# Altium PCB BalanceCar.PcbDoc (part 1 of 3)
Units mil, origin at the board's own origin, x right, y up, seen from the top; angles counter-clockwise.
Board outline 3810.03 x 2355.03 mil, 2 copper layers (Top Layer, Bottom Layer); 118 components, 87 nets, 429 pads, 218 vias.
Unrouted connection lines stored in the file: 3.
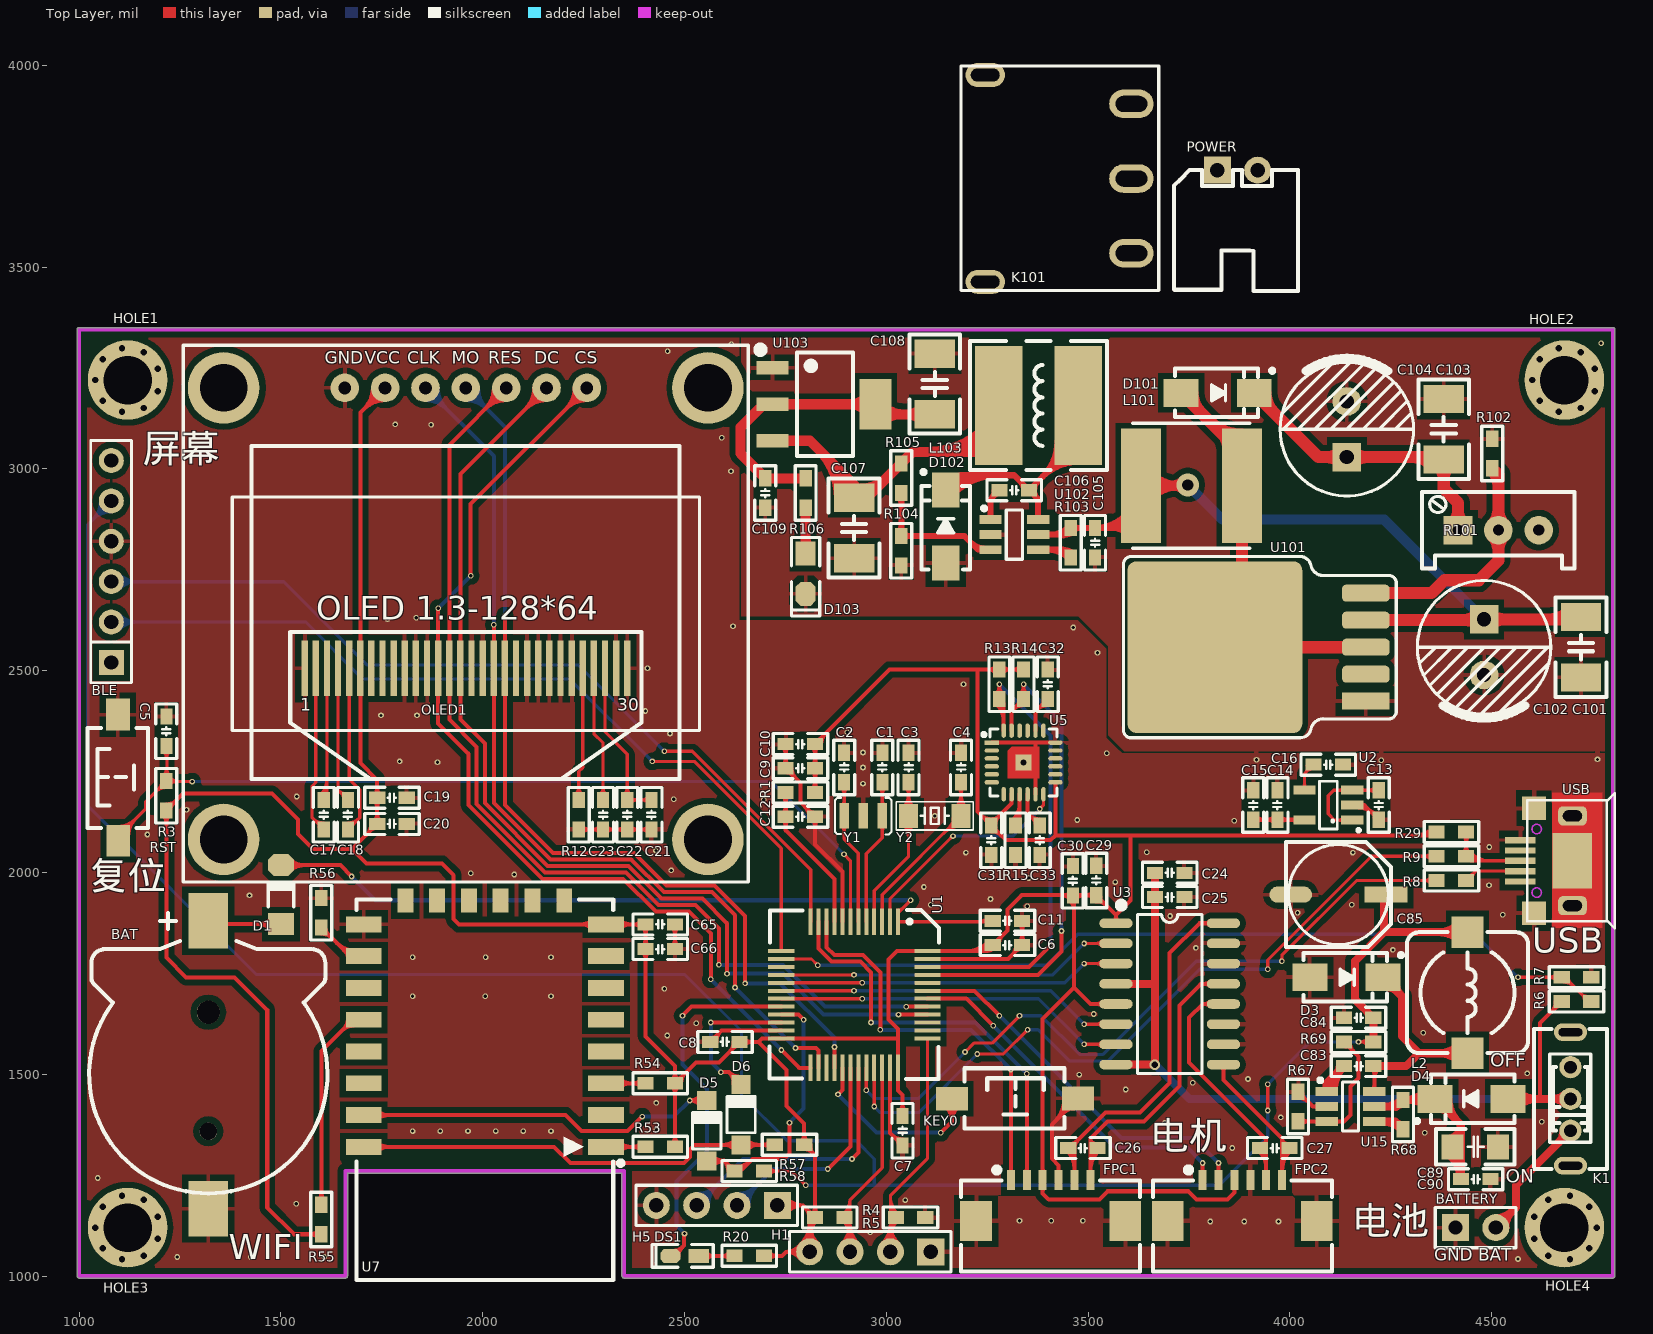
[diagram p0: Top Layer view]
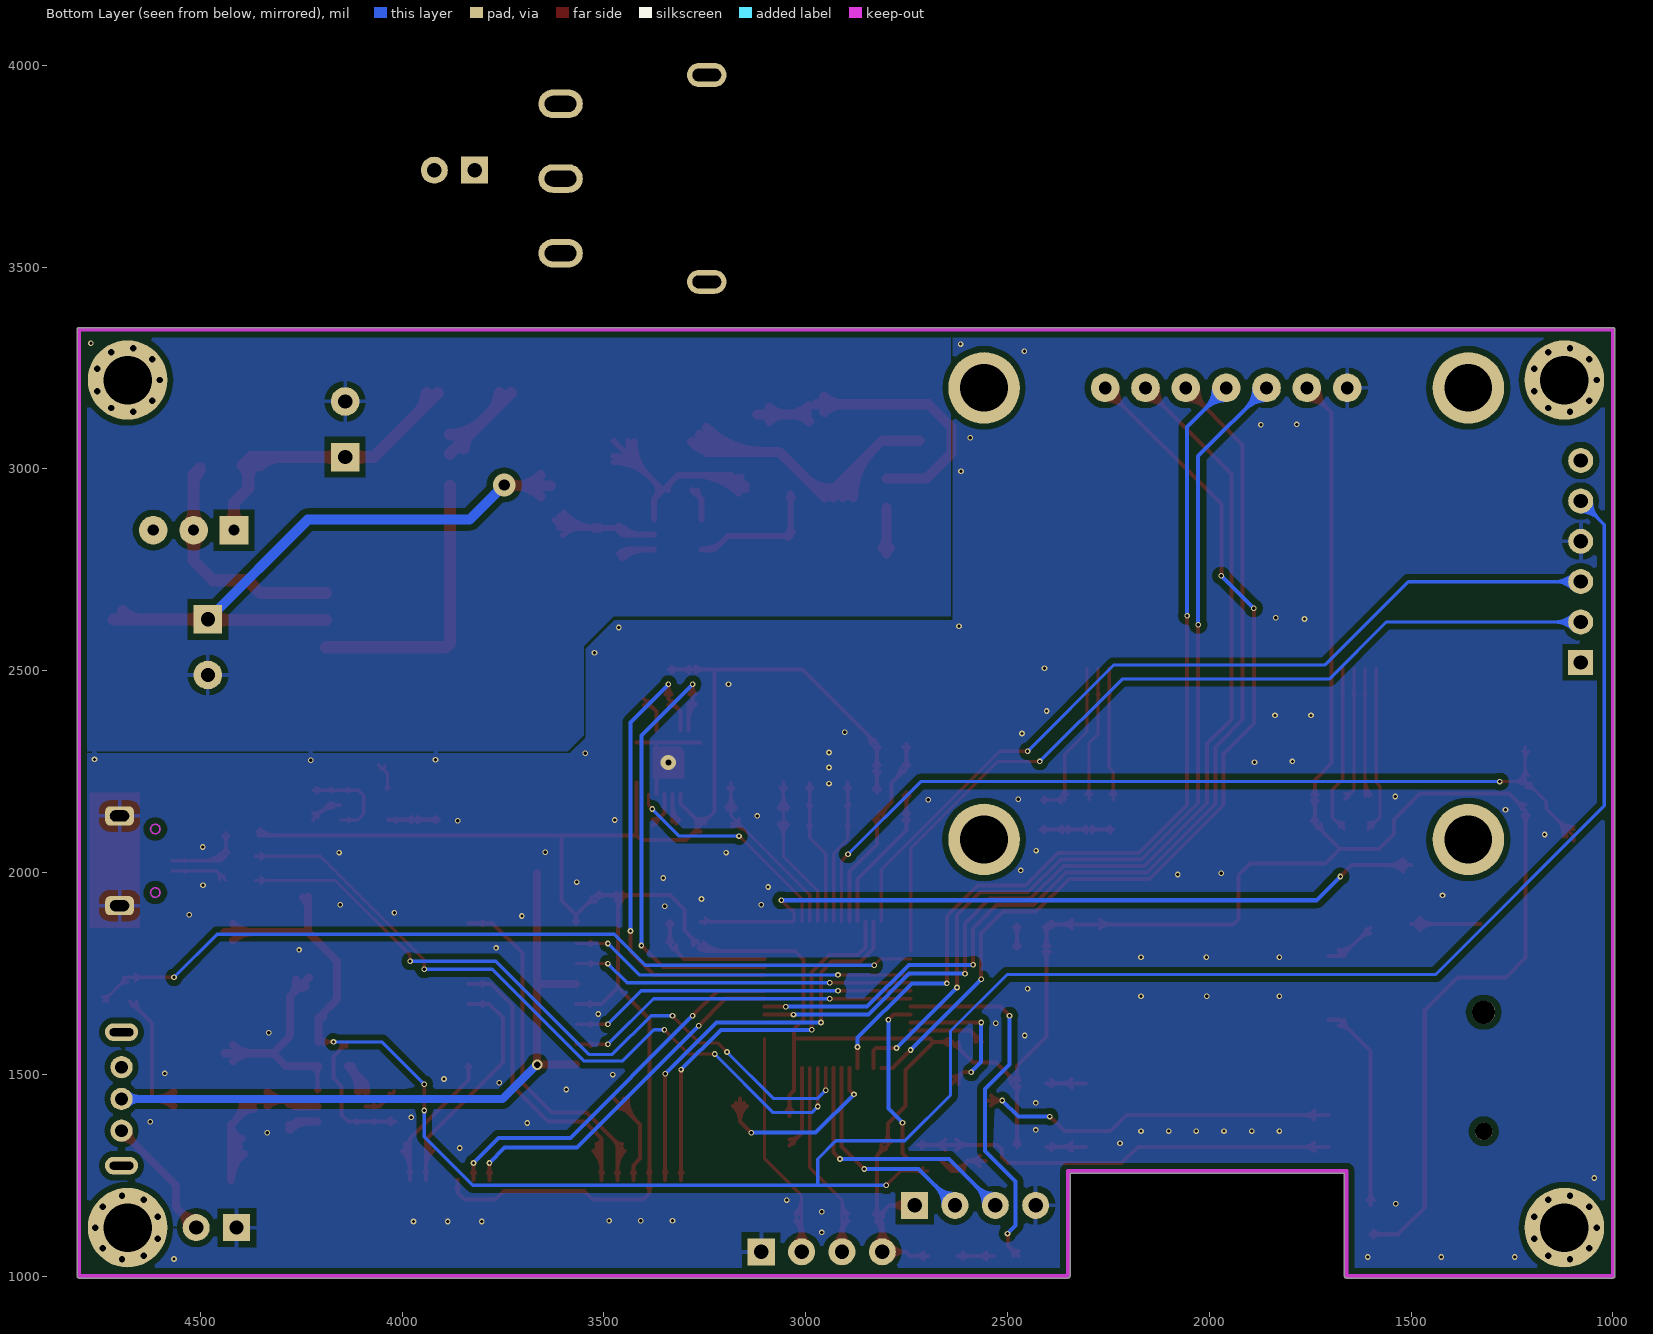
[diagram p1: Bottom Layer view, seen from below]

## Layer stack, top to bottom
Top Layer: signal copper 1.4
Dielectric: dielectric 12.6, FR-4, Dk 4.8
Bottom Layer: signal copper 1.4

## Board outline
1000,994.99 cw(c1000,1000) 994.99,1000 994.99,3345 cw(c1000,3345) 1000,3350.01 4800,3350.01 cw(c4800,3345) 4805.02,3345 4805.02,1000 cw(c4800,1000) 4800,994.99 2350,994.99 cw(c2350,1000) 2344.99,1000 2344.99,1254.98 1665.02,1254.98 1665.02,1000 cw(c1660,1000) 1660,994.99

## Design rules (kind name [scope] priority, off if disabled: settings)
Clearance [All] p1: gap=15
ComponentClearance [All] p1: gap=0 collisioncheckmode=3 verticalgap=0 showdistances=FALSE
HoleSize [All] p1: absolutevalues=TRUE maxlimit=500 minlimit=1 maxpercent=80.000 minpercent=20.000
MinimumSolderMaskSliver [All] p1: minsoldermaskwidth=0
PolygonConnect [All] p1: connectstyle=Relief reliefconductorwidth=10 reliefentries=4 polygonreliefangle="90 Angle"
RoutingVias [All] p1: holewidth=8 width=14 viastyle="Through Hole" minholewidth=8 minwidth=14 maxholewidth=508 maxwidth=514
SilkToSilkClearance [All] p1: silktosilkclearance=0
SilkscreenOverComponentPads [All] p1: minsilkscreentomaskgap=0
SolderMaskExpansion [All] p1: expansion=4
TestPointUsage [All] p1: valid=0 allowmultiple=FALSE
Testpoint [All] p1: side=15 testpointundercomponent=TRUE minsize=40 maxsize=100 preferedsize=60 minholesize=0 maxholesize=40 preferedholesize=32 testpointgrid=1 style=1023 order=0-112345678
Width [All] p1: maxlimit=200 minlimit=8 preferedwidth=10 toplayer_prefwidth=8 bottomlayer_prefwidth=8 minimp=50.000000 maximp=50.000000 favimp=50.000000
19 further rules are at their usual default settings.

## Components (designator, comment, footprint, x,y, rotation, side; value= is the part's Value field where it differs from the comment)
BAT "1220" CR1220_B 1320,1500 r90 top
BATTERY "Battery" HDR2.54-LI-2P 4460,1120 r0 top
BLE "BLE_USART" HEAD6 1080,2520 r90 top
C1 "22pF" "C 0603_M" 2990,2260 r270 top
C2 "22pF" "C 0603_M" 2895.51,2260 r270 top
C3 "6pF" "C 0603_M" 3055.04,2260 r270 top
C4 "6pF" "C 0603_M" 3184.96,2260 r270 top
C5 "104" "C 0603_M" 1216,2350 r270 top
C6 "104" "C 0603_M" 3300,1820 r180 top
C7 "104" "C 0603_M" 3040,1360 r90 top
C8 "104" "C 0603_M" 2600,1580 r0 top
C9 "104" "C 0603_M" 2787,2258 r0 top
C10 "104" "C 0603_M" 2787,2318 r0 top
C11 "104" "C 0603_M" 3300,1880 r0 top
C12 "104" "C 0603_M" 2787,2138 r180 top
C13 "10uF" "C 0603_M" 4220,2167 r270 top
C14 "104" "C 0603_M" 3969,2167 r270 top
C15 "10uF" "C 0603_M" 3909,2167 r270 top
C16 "103" "C 0603_M" 4095,2267 r180 top
C17 "1uF" "C 0603_M" 1606,2143 r270 top
C18 "1uF" "C 0603_M" 1666,2143 r90 top
C19 "10uF" "C 0603_M" 1775,2185 r180 top
C20 "104" "C 0603_M" 1775,2120 r180 top
C21 "10uF" "C 0603_M" 2418,2143 r90 top
C22 "104" "C 0603_M" 2358,2143 r90 top
C23 "10uF" "C 0603_M" 2298,2143 r90 top
C24 "104" "C 0603_M" 3702,1999 r180 top
C25 "10uf" "C 0603_M" 3702,1939 r180 top
C26 "104" "C 0603_M" 3487,1317 r180 top
C27 "104" "C 0603_M" 3962,1317 r180 top
C29 "104" "C 0603_M" 3520,1980 r270 top
C30 "10uf" "C 0603_M" 3462,1979 r270 top
C31 "104" "C 0603_M" 3260,2080 r90 top
C32 "10uF" "C 0603_M" 3400,2466 r270 top
C33 "104" "C 0603_M" 3380,2080 r90 top
C65 "10uF" "C 0603_M" 2440,1871.18 r180 top
C66 "104" "C 0603_M" 2440,1810 r180 top
C83 "103" "C 0603_M" 4170,1520 r0 top
C84 "104" "C 0603_M" 4170,1640 r0 top
C85 "220uF" "CM D(6.3*5.4)" 4120,1945 r0 top
C89 "10uF" "C 1206_L" 4460,1320 r180 top
C90 "104" "C 0603_M" 4460,1240 r180 top
C101 "Cap" "C 1210_M" 4721,2558 r270 top
C102 "Cap Pol" "CAP 3.5*8*11.5 - BK" 4481,2558 r270 top
C103 "Cap" "C 1210_M" 4381,3098 r90 top
C104 "Cap Pol" "CAP 3.5*8*11.5 - BK" 4141,3098 r90 top
C105 "Cap" "C 0603_M" 3517,2817 r270 top
C106 "Cap" "C 0603_M" 3317,2947 r0 top
C107 "Cap" "C 1210_M" 2920,2853.5 r90 top
C108 "Cap" "C 1210_M" 3120,3210 r270 top
C109 "Cap" "C 0603_M" 2700,2940 r270 top
D1 "1N4148" "MINI_MELF (LL34)" 1500,1945 r90 top
D3 "SS14" SMA 4140,1740 r0 top
D4 "SS14" SMA 4450,1438.74 r180 top
D5 "MBR0520" SOD-123 2555,1360 r270 top
D6 "MBR0520" SOD-123 2640,1400 r270 top
D101 "SS34" SMA 3821,3188 r0 top
D102 "SS34" SMA 3147,2857 r90 top
D103 "RED" "LED 0805R" 2800,2740 r270 top
DS1 "LED1" "LED 0603R" 2500,1050 r180 top
FPC1 "FPC1.0_6P" FPC_1.0_6P 3407,1137 r0 top
FPC2 "FPC1.0_6P" FPC_1.0_6P 3882,1137 r0 top
H1 "Header 4" HDR2.54-LI-4P 2960,1060 r180 top
H5 "Header 4" HDR2.54-LI-4P 2580,1175 r180 top
HOLE1 "HOLE" HOLE-M3 1120,3220 r0 top
HOLE2 "HOLE" HOLE-M3 4680,3220 r0 top
HOLE3 "HOLE" HOLE-M3 1120,1120 r0 top
HOLE4 "HOLE" HOLE-M3 4680,1120 r180 top
K1 "BUTTON_DIP3" BTN8.8*4.6 4695,1360 r90 top
K101 "KEY1X3" PKEY 3600,3540 r180 top
KEY0 "KEY" "TSW SMD-3*6*2.5" 3320,1440 r0 top
L2 "4.7uH" CDRH73 4440,1702 r270 top
L101 "33uH" L_SOP74 3881,2958 r180 top
L103 "Inductance" CD73 3377,3157 r180 top
OLED1 "OLED12864" OLED12864 1958,2641 r0 top locked
POWER "SPKL" XH2.54-2P_H 3820,3740 r0 top
R1 "0R" "R 0603_M" 2787,2198 r180 top
R3 "10K" "R 0603_M" 1216,2190 r90 top
R4 "10K" "R 0603_M" 2860,1145 r180 top
R5 "10K" "R 0603_M" 3060,1145 r0 top
R6 "100K" "R 0603_M" 4710,1680 r0 top
R7 "33K" "R 0603_M" 4710,1740 r0 top
R8 "10R" "R 0603_M" 4400,1980 r180 top
R9 "10R" "R 0603_M" 4400,2040 r180 top
R12 "760K" "R 0603_M" 2238,2143 r90 top
R13 "4.7K" "R 0603_M" 3280,2466 r90 top
R14 "4.7K" "R 0603_M" 3340,2466 r90 top
R15 "10K" "R 0603_M" 3320,2080 r270 top
R20 "510" "R 0603_M" 2660,1050 r180 top
R29 "1.5K" "R 0603_M" 4400,2100 r0 top
R53 "4.7K" "R 0603_M" 2440,1320 r0 top
R54 "1.5K" "R 0603_M" 2440,1477.48 r0 top
R55 "1K" "R 0603_M" 1600,1140 r90 top
R56 "1K" "R 0603_M" 1600,1900 r270 top
R57 "5.6K" "R 0603_M" 2760,1325 r0 top
R58 "5.6K" "R 0603_M" 2660,1260 r180 top
R67 "9.53K" "R 0603_M" 4020,1420 r90 top
R68 "100K" "R 0603_M" 4280,1400 r90 top
R69 "49.9K" "R 0603_M" 4170,1580 r180 top
R101 "10K" 3296W 4516.35,2848 r0 top
R102 "331" "R 0603_M" 4501,3038 r90 top
R103 "Res1" "R 0603_M" 3457,2817 r90 top
R104 "Res1" "R 0603_M" 3037,2797 r270 top
R105 "Res1" "R 0603_M" 3037,2977 r270 top
R106 "Res1" "R 0603_M" 2800,2940 r270 top
RST "KEY" "TSW SMD-3*6*2.5" 1096,2236 r90 top
U1 "STM32F103C8T6" LQFP-48PIN 3029,1878 r270 top
U2 "CAT6219-330TD" SOT23-5M 4095,2167 r90 top
U3 "MX1508" SOP16N_M 3702,1699 r0 top
U5 "MPU6050" "QFN24 4x4_N" 3340,2272.5 r270 top
U7 "ESP8266" ESP_12E 2320,1320 r180 top
U15 "MP2359" SOT23-6M 4150,1420 r270 top
U101 "XL6009" TO-263-5 4001,2558 r90 top
U102 "MP2359" SOT23-6M 3317,2837 r270 top
U103 "AMS1117-3.3" SOT223_N 2848,3160 r270 top
USB "J-MICRO-USB-5S" USB-AB-5S 4700,2140 r270 top
Y1 "8MHz" Y-XTAL-3215-3P 2990,2140 r180 top
Y2 "32.768K" "OSC 3215-2P" 3120,2140 r180 top

## Footprints (in the part's own frame and the unit in brackets; to place one, negate y for a bottom-side part, rotate by r counter-clockwise, add the part's x,y. Pads: shape width x height; smd on the part's side, far side on the other; paste and mask are expansions set on the pad)
3296W [mm] "Precise Multi-Winding Adjustable Resistor"
  rect 1.8x1.8 hole 0.7: 1(-2.54,0)
  round 1.8 hole 0.7: 2(0,0) 3(2.54,0)
  silkscreen extent -4.8,-2.4 4.8,2.4, body extent -4.75,-2.4 4.75,2.4, height 11.52
BTN8.8*4.6 [mm]
  round 1.4 hole 0.8: 1(0,0) 2(2,0) 3(4,0)
  oval 1.1x2.1 hole 0.5 slot 1.5 at 90 deg: 4(-2.2,0) 5(6.2,0)
  silkscreen extent -2.4,-2.3 6.4,2.3, body extent -2.4,-2.3 6.4,2.27, height 6.5
"C 0603_M" [mil] "无极性贴片电容"
  rect 40x30 smd: 1(-36.5,0) 2(36.5,0)
  silkscreen extent -68,-26 68,26, body extent -31,-16 31,16, height 32
"C 1206_L" [mil] "无极性贴片电容"
  rect 55x62 smd: 1(-55.12,0) 2(57.09,0)
  silkscreen extent -96,-44 98,44, body extent -63,-32 63,32, height 48
"C 1210_M" [mil] "无极性贴片电容"
  rect 70x100 smd: 1(-75,0) 2(75,0)
  silkscreen extent -123,-63 123,63, body extent -63,-51 63,51, height 60
"CAP 3.5*8*11.5 - BK" [mm] "脚距3.5mm直径8mm高度11.5mm"
  rect 1.8x1.8 hole 0.9: 1(-1.75,0)
  round 1.8 hole 0.9: 2(1.75,0)
  silkscreen extent -4.2,-4.2 4.5,4.2, body extent -4,-4 4.01,4, height 11.54
CD73 [mm] "7.8*7*3.5mm（长宽高）"
  rect 3x7.5 smd: 1(-2.5,0) 2(2.5,0)
  silkscreen extent -4.32,-4.06 4.32,4.06, body extent -3.85,-3.5 3.85,3.5, height 3.75
CDRH73 [mm] "7.3*7.3*3.4mm（长宽高）"
  rect 2x2 smd: 1(-3.81,0) 2(3.81,0)
  silkscreen extent -3.81,-3.81 3.81,3.81, body extent -3.65,-3.65 3.65,3.65, height 3.65
"CM D(6.3*5.4)" [mm] "贴片电解电容，直径6.3mm，高5.4mm"
  rect 2.7x1 smd: 1(3,0)
  oval 2.7x1 smd: 2(-3,0)
  silkscreen extent -3.3,-3.3 3.3,3.3, body extent -3.5,-3.3 3.5,3.3, height 5.4
CR1220_B [mm]
  round 1.1 hole 1.1: 0(-3.6,0)
  round 1.45 hole 1.45: 0(3.9,0)
  rect 3.5x2.5 smd: 1(9.652,0) 2(-8.458,0)
  silkscreen extent -7.5,-7.5 10.16,7.5, body extent -9.42,-7.45 10.34,7.45, height 4.05
ESP_12E [mm] "ESP-12 Wi-Fi Module by AI-Thinker"
  rect 2.25x1 smd: 1(0.375,0) 2(0.375,-2) 3(0.375,-4) 4(0.375,-6) 5(0.375,-8) 6(0.375,-10) 7(0.375,-12) 8(0.375,-14) 15(15.625,-14) 16(15.625,-12) 17(15.625,-10) 18(15.625,-8) 19(15.625,-6) 20(15.625,-4) 21(15.625,-2) 22(15.625,0)
  rect 1x1.5 smd: 9(3,-15.5) 10(5,-15.5) 11(7,-15.5) 12(9,-15.5) 13(11,-15.5) 14(13,-15.5)
  silkscreen extent -0.7,-15.57 16.08,8.37, body extent 0,-15.49 16,8.51, height 2.75
FPC_1.0_6P [mm]
  rect 0.5x1.25 smd: 1(-2.5,2.558) 2(-1.5,2.558) 3(-0.5,2.558) 4(0.5,2.558) 5(1.5,2.558) 6(2.5,2.558)
  rect 2x2.5 smd: 4(-4.69,-0.017) 4(4.69,-0.017)
  silkscreen extent -5.64,-3.19 5.64,3.29, body extent -5.45,-3.17 5.45,2.83, height 2
HDR2.54-LI-2P [mm] "排针，2脚"
  rect 1.7x1.7 hole 0.9: 1(-1.27,0)
  round 1.7 hole 0.9: 2(1.27,0)
  silkscreen extent -2.54,-1.27 2.54,1.27, body extent -2.54,-1.27 2.54,1.27, height 8.5
HDR2.54-LI-4P [mm] "排针，4脚"
  rect 1.7x1.7 hole 0.9: 1(-3.81,0)
  round 1.7 hole 0.9: 2(-1.27,0) 3(1.27,0) 4(3.81,0)
  silkscreen extent -5.08,-1.27 5.08,1.27, body extent -5.08,-1.27 5.08,1.27, height 8.5
HEAD6 [mil]
  rect 62x62 hole 35: 1(0.43,0.42)
  round 62 hole 35: 2(100.43,0.42) 3(200.43,0.42) 4(300.43,0.42) 5(400.43,0.42) 6(500.43,0.42)
  silkscreen extent -50,-50 550,51
HOLE-M3 [mm]
  round 5 hole 3.05: 1(0,0)
L_SOP74 [mm]
  rect 2.5x7.2 smd: 1(0,0) 2(6.35,0)
  silkscreen extent -0.51,-3.94 6.89,3.94
"LED 0603R" [mil] "红色0603LED"
  rect 50x35 smd: 1(-35,0.26)
  oct 50x35 smd: 2(35,0.26)
  silkscreen extent -71,-28 81,28, body extent -31,-16 31,16, height 18
"LED 0805R" [mil] "红色0805LED"
  rect 60x50 smd: 1(-50,0)
  oct 60x50 smd: 2(50,0)
  silkscreen extent -90,-35 105,35, body extent -39,-25 39,25, height 32
LQFP-48PIN [mil]
  rect 65x10 smd: 1(0,0) 2(0,-19.68) 3(0,-39.37) 4(0,-59.05) 5(0,-78.74) 6(0,-98.43) 7(0,-118.11) 8(0,-137.8) 9(0,-157.48) 10(0,-177.17) 11(0,-196.85) 12(0,-216.54) 25(362.2,-216.54) 26(362.2,-196.85) 27(362.2,-177.17) 28(362.2,-157.48) 29(362.2,-137.8) 30(362.2,-118.11) 31(362.2,-98.43) 32(362.2,-78.74) 33(362.2,-59.06) 34(362.2,-39.37) 35(362.2,-19.68) 36(362.2,0)
  rect 10x65 smd: 13(72.83,-289.37) 14(92.52,-289.37) 15(112.2,-289.37) 16(131.89,-289.37) 17(151.57,-289.37) 18(171.26,-289.37) 19(190.94,-289.37) 20(210.63,-289.37) 21(230.32,-289.37) 22(250,-289.37) 23(269.69,-289.37) 24(289.37,-289.37) 37(289.37,72.83) 38(269.68,72.83) 39(250,72.83) 40(230.32,72.83) 41(210.63,72.83) 42(190.94,72.83) 43(171.26,72.83) 44(151.57,72.83) 45(131.89,72.83) 46(112.2,72.83) 47(92.52,72.83) 48(72.83,72.83)
  silkscreen extent -29,-318 390,102, body extent 3,-286 359,69, height 63
"MINI_MELF (LL34)" [mm] "1.5*3.4mm(直径，脚距）"
  rect 1.37x1.62 smd: 1(-1.855,0)
  oct 1.37x1.62 smd: 2(1.855,0)
  silkscreen extent -0.76,-0.8 0.78,0.8, body extent -1.7,-0.75 1.7,0.75, height 1.5
OLED12864 [mm]
  rect 0.4x3.5 smd: 1(-10.14,-3.429) 2(-9.44,-3.429) 3(-8.74,-3.429) 4(-8.04,-3.429) 5(-7.34,-3.429) 6(-6.64,-3.429) 7(-5.94,-3.429) 8(-5.24,-3.429) 9(-4.54,-3.429) 10(-3.84,-3.429) 11(-3.14,-3.429) 12(-2.44,-3.429) 13(-1.74,-3.429) 14(-1.04,-3.429) 15(-0.34,-3.429) 16(0.36,-3.429) 17(1.06,-3.429) 18(1.76,-3.429) 19(2.46,-3.429) 20(3.16,-3.429) 21(3.86,-3.429) 22(4.56,-3.429) 23(5.26,-3.429) 24(5.96,-3.429) 25(6.66,-3.429) 26(7.36,-3.429) 27(8.06,-3.429) 28(8.76,-3.429) 29(9.46,-3.429) 30(10.16,-3.429)
  round 4.5 hole 3: 8(-15.24,-14.21) 8(-15.24,14.21) 8(15.24,-14.21) 8(15.24,14.21)
  round 1.8 hole 0.8: 8(-7.62,14.21) 9(-5.08,14.21) 13(7.62,14.21) 14(2.54,14.21) 15(5.08,14.21) 18(-2.54,14.21) 19(0,14.21)
  silkscreen extent -17.78,-16.89 17.78,16.89, body extent -17.7,-16.75 17.7,16.75, height 5.5
"OSC 3215-2P" [mm] "3.2*1.5*0.6mm(长宽高)"
  rect 1.2x1.5 smd: 1(-1.65,0) 2(1.65,0)
  silkscreen extent -2.41,-0.89 2.41,0.89, body extent -1.6,-0.75 1.6,0.75, height 0.61
PKEY [mm]
  oval 2.8x1.8 hole 1 slot 2 at 0 deg: 1(-0.181,0.15) 2(-0.181,-4.55) 3(-0.181,-9.25)
  oval 2.5x1.5 hole 0.8 slot 1.8 at 0 deg: ""(9.017,1.951) ""(9.017,-11.068)
  silkscreen extent -1.91,-11.63 10.54,2.49
"QFN24 4x4_N" [mm] "24脚，长x宽x高：4x4x1mm，脚距：0.5mm"
  rect 0.28x0.9 smd: 1(-1.25,-2)
  oval 0.28x0.9 smd: 2(-0.75,-2) 3(-0.25,-2) 4(0.25,-2) 5(0.75,-2) 6(1.25,-2) 13(1.25,2) 14(0.75,2) 15(0.25,2) 16(-0.25,2) 17(-0.75,2) 18(-1.25,2)
  oval 0.9x0.28 smd: 7(2,-1.25) 8(2,-0.75) 9(2,-0.25) 10(2,0.25) 11(2,0.75) 12(2,1.25) 19(-2,1.25) 20(-2,0.75) 21(-2,0.25) 22(-2,-0.25) 23(-2,-0.75) 24(-2,-1.25)
  rect 1x1 smd: 25(0,0)
  Top Layer region: -1,1 1,1 1,-1 -0.75,-1 -1,-0.75
  silkscreen extent -2.11,-2.6 2.11,2.11, body extent -2.01,-2.01 2.01,2.01, height 0.95
"R 0603_M" [mil] "1/10W贴片电阻"
  rect 40x31.5 smd: 1(-36.5,0) 2(36.5,0)
  silkscreen extent -68,-26 68,26, body extent -31,-16 32,16, height 16
SMA [mm] "4.5x2.6*2.2mm（长宽高，不包括引脚）"
  rect 2.2x1.75 smd: 1(-2.3,0) 2(2.3,0)
  silkscreen extent -2.7,-1.52 3.56,1.52, body extent -2.53,-1.3 2.58,1.3, height 2.15
SOD-123 [mm]
  rect 1.2x1.2 smd: 1(1.905,0) 2(-1.905,0)
  silkscreen extent -1.14,-0.89 1.14,0.89
SOP16N_M [mm] "10.3*7*1.8mm（长宽高）"
  oval 2.1x0.6 smd: 1(-3.383,4.445) 2(-3.383,3.175) 3(-3.383,1.905) 4(-3.383,0.635) 5(-3.383,-0.635) 6(-3.383,-1.905) 7(-3.383,-3.175) 8(-3.383,-4.445) 9(3.383,-4.445) 10(3.383,-3.175) 11(3.383,-1.905) 12(3.383,-0.635) 13(3.383,0.635) 14(3.383,1.905) 15(3.383,3.175) 16(3.383,4.445)
  silkscreen extent -3.2,-5 2.03,5.74, body extent -3.5,-5.25 3.5,5.25, height 1.9
SOT23-5M [mm] "3x1.6x1.1mm(长宽高)"
  rect 0.55x1.4 smd: 1(-0.95,-1.5) 2(0,-1.5) 3(0.95,-1.5) 4(0.95,1.5) 5(-0.95,1.5)
  silkscreen extent -1.66,-1.98 1.5,0.56, body extent -1.5,-1.4 1.5,1.4, height 1.15
SOT23-6M [mm] "3x1.6x1.1mm(长宽高)"
  rect 0.55x1.4 smd: 1(-0.95,-1.5) 2(0,-1.5) 3(0.95,-1.5) 4(0.95,1.5) 5(0,1.5) 6(-0.95,1.5)
  silkscreen extent -1.78,-2.03 1.55,0.51, body extent -1.5,-1.4 1.5,1.4, height 1.15
SOT223_N [mm] "6.4x7x1.6mm(长宽高)"
  rect 0.85x2 smd: 1(-2.3,-3.302) 2(0,-3.302) 3(2.3,-3.302)
  rect 3.2x2 smd: 2(0,3.175)
  silkscreen extent -3.63,-4.26 3.25,1.75, body extent -3.25,-3.51 3.25,3.51, height 1.65
TO-263-5 [mm]
  rrect10% 10.8x11 smd: 0(0,4.75)
  rect 1.07x3 smd: 1(-3.4,-4.75)
  rrect50% 1.07x3 smd: 2(-1.7,-4.75) 3(0,-4.75) 4(1.7,-4.75) 5(3.4,-4.75)
  silkscreen extent -5.7,-6.66 5.7,10.5, body extent -5.14,-4.8 5.09,9.55, height 4.48
"TSW SMD-3*6*2.5" [mm] "3*6*2.5mm"
  rect 2x1.5 smd: 1(-3.996,-0.02) 2(3.937,0)
  silkscreen extent -3.21,-1.9 3.09,1.9, body extent -4,-1.88 4,1.62, height 2.59
USB-AB-5S [mm]
  rect 0.4x1.9 smd: 1(4.125,-3.286) 2(3.475,-3.286) 3(2.825,-3.286) 4(2.175,-3.286) 5(1.525,-3.286)
  rrect50% 1.2x1.8 hole 0.7 slot 1.2 at 90 deg: 6(5.65,0) 7(0,0)
  rect 1.5x1.5 smd: 8(-0.477,-2.422) 9(6.127,-2.422)
  rect 3.5x2.5 smd: 9(2.825,-0.009)
  Keep-Out Layer circle w0.102: c0.825,-2.25 r0.3
  Keep-Out Layer circle w0.102: c4.825,-2.25 r0.3
  silkscreen extent -1.44,-2.85 7.09,2.66, body extent -1.12,-2.92 6.88,2.68, height 2.8
XH2.54-2P_H [mm]
  rect 1.7x1.7 hole 0.9: 1(0,0)
  round 1.7 hole 0.9: 2(2.54,0)
  silkscreen extent -2.72,-7.62 5.08,0, body extent -2.5,-7.35 5.04,0.35, height 5.73
Y-XTAL-3215-3P [mm]
  rect 0.6x1.6 smd: 1(0,0) 2(1.2,0) 3(2.4,0)
  silkscreen extent -0.58,-1.14 2.98,1.17, body extent -0.35,-0.75 2.85,0.75, height 0.81

## Part data
BAT: library part CR-3V, "微型电池"
BATTERY: library part "Header 2", "Header, 2-Pin"
BLE: library part ATK-HC05, "ATK-HC05"
C1 C2 C11 C12 C24 C25 C26 C27 C29 C30 C85: library part CAP
C3 C4 C5 C6 C7 C8 C9 C10 C13 C14 C15 C16 C17 C18 C19 C20 C21 C22 C23 C31 C32 C33 C65 C66 C83 C84 C89 C90: library part C
C101 C103 C107 C108: library part Cap_1, "Capacitor"
C102 C104: library part "Cap Pol_1", "Polarized Capacitor (Radial)"
C105 C106 C109: "Capacitor"
D1 D101: library part D
D3 D4 D5 D6: library part D, "1N4148"
D102: library part DIODE_1, "Diode"
D103: library part LED
DS1: library part LED2, "Typical RED, GREEN, YELLOW, AMBER GaAs LED"
FPC1 FPC2: library part FPC
H1 H5: "Header, 4-Pin"
K1: "拨动开关SS-12F44"
K101: library part PKEY
KEY0 RST: library part KEY_M
L2 L101: library part L_SOP
POWER: library part "Header 2", "2P接插件"
R1 R3 R4 R5 R6 R7 R8 R9 R12 R13 R14 R15 R20 R29 R53 R54 R55 R56 R57 R58 R67 R68 R69 R101 R102: library part R
R103 R104 R105 R106: "Resistor"
U1: library part U-STM32F103C8T6
U2: "3.3V 500mA LDO"
U3: library part Component_1
U5: "9轴运动处理传感器"
U15: "DC DC Step Down IC"
U102: "MP2359DJ-LF-Z"
U103: "LDO 3.3V"
USB: "Micro USB 5.9有柱脚长1.25加长针"
Y1: library part Y-3215-8M, "XTAL,3215,8MHz"
Y2: library part XTAL, "Crystal Oscillator"

## Via types
v1: diameter 14, hole 8, Top Layer to Bottom Layer, 171 vias
v2: diameter 28, hole 16, Top Layer to Bottom Layer, 44 vias
v3: diameter 38, hole 15, Top Layer to Bottom Layer, 1 vias
v4: diameter 56, hole 28, Top Layer to Bottom Layer, 1 vias
v5: diameter 26, hole 16, Top Layer to Bottom Layer, 1 vias

## Nets (pads, with @x,y where several pads share a name; then routed paths per layer and width w, separated by ;. In a path a pad name is that pad's centre, name@x,y a point inside that pad or via, vN(x,y) a via of type N, cw(c..) or ccw(c..) an arc to the next point about the centre after c; other vN are vias at no path point)
BLE_EN: BLE.6
BOOT0: U1.44
ESP_EN: R54.1 U7.3 | length 291.2
  Top Layer w10: U7.3@2305.24,1477.48 R54.1@2403.5,1477.48 ; 2365.3,1477.48 cw(c2365.3,1512.93) 2340.23,1487.86 ccw(c2365.3,1512.93) 2365.3,1477.48 ; 2365.3,1477.48 ccw(c2365.3,1442.03) 2340.23,1467.1 cw(c2365.3,1442.03) 2365.3,1477.48 ; 2373.3,1477.48 cw(c2373.3,1451.53) 2391.65,1469.88 ccw(c2373.3,1451.53) 2373.3,1477.48 ; 2373.3,1477.48 ccw(c2373.3,1503.43) 2391.65,1485.08 cw(c2373.3,1503.43) 2373.3,1477.48
ESP_GPIO0: R55.2 U7.18 | length 710.5
  Top Layer w10: R55.2@1600,1176.5 1600,1557 1677.96,1634.96 U7.18@1704.84,1634.96 ; 1600,1206.7 cw(c1574.05,1206.7) 1592.4,1188.35 ccw(c1574.05,1206.7) 1600,1206.7 ; 1600,1206.7 ccw(c1625.95,1206.7) 1607.6,1188.35 cw(c1625.95,1206.7) 1600,1206.7 ; 1651.28,1608.28 cw(c1680.24,1579.33) 1680.24,1620.28 ccw(c1680.24,1579.33) 1651.28,1608.28 ; 1656.78,1613.78 ccw(c1635.59,1634.96) 1665.55,1634.96 cw(c1635.59,1634.96) 1656.78,1613.78
ESP_GPIO15: R56.2 U7.16 | length 379.7
  Top Layer w10: R56.2@1600,1863.5 1671.06,1792.44 U7.16@1704.84,1792.44 ; R56.2@1600,1848.5 cw(c1600,1812.29) 1625.61,1837.89 ccw(c1600,1812.29) R56.2@1600,1848.5 ; R56.2@1610.75,1859.25 ccw(c1626.43,1859.25) 1615.34,1848.16 cw(c1626.43,1859.25) R56.2@1610.75,1859.25 ; 1639.5,1824 ccw(c1680.24,1864.73) 1680.24,1807.13 cw(c1680.24,1864.73) 1639.5,1824 ; 1656.57,1806.93 ccw(c1680.24,1830.59) 1680.24,1797.13 cw(c1680.24,1830.59) 1656.57,1806.93 ; U7.16@1661.66,1801.84 cw(c1652.25,1792.44) 1665.55,1792.44 ccw(c1652.25,1792.44) U7.16@1661.66,1801.84
ESP_RST: R53.1 U7.1 | length 291.2
  Top Layer w10: U7.1@2305.24,1320 R53.1@2403.5,1320 ; 2365.3,1320 cw(c2365.3,1355.45) 2340.23,1330.38 ccw(c2365.3,1355.45) 2365.3,1320 ; 2365.3,1320 ccw(c2365.3,1284.55) 2340.23,1309.62 cw(c2365.3,1284.55) 2365.3,1320 ; 2373.3,1320 cw(c2373.3,1294.05) 2391.65,1312.4 ccw(c2373.3,1294.05) 2373.3,1320 ; 2373.3,1320 ccw(c2373.3,1345.95) 2391.65,1327.6 cw(c2373.3,1345.95) 2373.3,1320
ESP_RXD0: D5.2 U7.21 | length 1136.5
  Top Layer w10: U7.21@1704.84,1398.74 2205.26,1398.74 2245,1359 2359,1359 v1(2395,1395) ; D5.2@2555,1435 v1(2513,1435) ; 1764.9,1398.74 cw(c1764.9,1434.19) 1739.83,1409.12 ccw(c1764.9,1434.19) 1764.9,1398.74 ; 1764.9,1398.74 ccw(c1764.9,1363.29) 1739.83,1388.36 cw(c1764.9,1363.29) 1764.9,1398.74 ; v1(2513,1435) cw(c2513,1396.95) 2541.2,1422.5 ccw(c2513,1396.95) v1(2513,1435) ; v1(2513,1435) ccw(c2513,1473.05) 2541.2,1447.5 cw(c2513,1473.05) v1(2513,1435)
  Bottom Layer w10: v1(2395,1395) 2473,1395 v1(2513,1435)
ESP_TXD0: D6.1 R57.1 U7.22 | length 1540.4
  Top Layer w10: U7.22@1704.84,1320 2177,1320 2217,1280 2499,1280 2514,1295 2514,1314 2525,1325 D6.1@2640,1325 R57.1@2723.5,1325 ; 1764.9,1320 cw(c1764.9,1355.45) 1739.83,1330.38 ccw(c1764.9,1355.45) 1764.9,1320 ; 1764.9,1320 ccw(c1764.9,1284.55) 1739.83,1309.62 cw(c1764.9,1284.55) 1764.9,1320 ; 2595.04,1325 cw(c2595.04,1280.04) 2626.83,1311.83 ccw(c2595.04,1280.04) 2595.04,1325 ; 2595.04,1325 ccw(c2595.04,1369.96) 2626.83,1338.17 cw(c2595.04,1369.96) 2595.04,1325 ; 2684.96,1325 cw(c2684.96,1369.96) 2653.17,1338.17 ccw(c2684.96,1369.96) 2684.96,1325 ; 2684.96,1325 ccw(c2684.96,1280.04) 2653.17,1311.83 cw(c2684.96,1280.04) 2684.96,1325 ; 2693.3,1325 cw(c2693.3,1299.05) 2711.65,1317.4 ccw(c2693.3,1299.05) 2693.3,1325 ; 2693.3,1325 ccw(c2693.3,1350.95) 2711.65,1332.6 cw(c2693.3,1350.95) 2693.3,1325
GND: BAT.2 BATTERY.1 BLE.4 C1.1 C2.1 C3.1 C4.1 C5.1 C6.1 C7.1 C8.1 C9.1 C10.1 C11.2 C12.1 C13.2 C14.1 C15.1 C16.1 C19.1 C20.1 C21.1 C22.1 C23.1 C24.1 C25.1 C29.1 C30.1 C31.1 C32.1 C33.1 C65.1 C66.1 C84.1 C85.2 C89.1 C90.1 C101.2 C102.2 C103.2 C104.2 C105.2 C107.1 C108.1 C109.2 D3.1 D102.1 D103.2 FPC1.4 FPC2.4 H1.1 H5.4 KEY0.2 OLED1.1 OLED1.8@1658,3200.45 OLED1.10 OLED1.11 OLED1.12 OLED1.16 OLED1.17 OLED1.21 OLED1.22 OLED1.23 OLED1.24 OLED1.25 OLED1.29 OLED1.30 POWER.1 R5.2 R7.2 R12.1 R15.2 R56.1 R67.2 R102.2 R104.2 RST.2 U1.8 U1.23 U1.35 U1.47 U2.2 U3.10 U3.11 U3.14 U3.15 U5.1 U5.11 U5.18 U7.15 U15.2 U101.1 U102.2 U103.1 USB.5 USB.6 USB.7 USB.8 USB.9 Y1.2 | length 4192.4
  Top Layer w10: R12.1@2238,2106.5 C23.1@2298,2106.5 C22.1@2358,2106.5 C21.1@2418,2106.5 ; C66.1@2476.5,1810 C65.1@2476.5,1871.18 ; C8.1@2563.5,1580 2591.82,1608.32 U1.23@2739.63,1608.32 ; C10.1@2750.5,2318 C9.1@2750.5,2258 2787,2221.5 2787,2174.5 C12.1@2823.5,2138 2823.5,2069.5 2891.2,2001.8 U1.8@2891.2,1878 ; U1.35@3009.32,1515.8 3009.32,1354.18 C7.1@3040,1323.5 ; U1.47@3101.83,1785.48 3301.98,1785.48 C6.1@3336.5,1820 C11.2@3336.5,1880 ; U5.1@3261.26,2321.71 U5.18@3418.74,2321.71 ; U5.11@3369.53,2193.76 3369.53,2321.71 ; FPC1.4@3426.68,1237.69 3426.68,1274.32 3410,1291 3410,1375 KEY0.2@3475,1440 ; R67.2@4020,1456.5 4056.5,1420 U15.2@4090.94,1420 ; U2.2@4154.06,2167 4183.5,2167 ; C13.2@4220,2130.5 4183.5,2167 ; 2263.95,2106.5 cw(c2263.95,2132.45) 2245.6,2114.1 ccw(c2263.95,2132.45) 2263.95,2106.5 ; 2263.95,2106.5 ccw(c2263.95,2080.55) 2245.6,2098.9 cw(c2263.95,2080.55) 2263.95,2106.5 ; 2273.86,2106.5 cw(c2273.86,2082.36) 2290.93,2099.43 ccw(c2273.86,2082.36) 2273.86,2106.5 ; 2273.86,2106.5 ccw(c2273.86,2130.64) 2290.93,2113.57 cw(c2273.86,2130.64) 2273.86,2106.5 ; 2322.14,2106.5 cw(c2322.14,2130.64) 2305.07,2113.57 ccw(c2322.14,2130.64) 2322.14,2106.5 ; 2322.14,2106.5 ccw(c2322.14,2082.36) 2305.07,2099.43 cw(c2322.14,2082.36) 2322.14,2106.5 ; 2333.86,2106.5 cw(c2333.86,2082.36) 2350.93,2099.43 ccw(c2333.86,2082.36) 2333.86,2106.5 ; 2333.86,2106.5 ccw(c2333.86,2130.64) 2350.93,2113.57 cw(c2333.86,2130.64) 2333.86,2106.5 ; 2382.14,2106.5 cw(c2382.14,2130.64) 2365.07,2113.57 ccw(c2382.14,2130.64) 2382.14,2106.5 ; 2382.14,2106.5 ccw(c2382.14,2082.36) 2365.07,2099.43 cw(c2382.14,2082.36) 2382.14,2106.5 ; 2393.86,2106.5 cw(c2393.86,2082.36) 2410.93,2099.43 ccw(c2393.86,2082.36) 2393.86,2106.5 ; 2393.86,2106.5 ccw(c2393.86,2130.64) 2410.93,2113.57 cw(c2393.86,2130.64) 2393.86,2106.5 ; 2476.5,1834.14 cw(c2452.36,1834.14) 2469.43,1817.07 ccw(c2452.36,1834.14) 2476.5,1834.14 ; 2476.5,1834.14 ccw(c2500.64,1834.14) 2483.57,1817.07 cw(c2500.64,1834.14) 2476.5,1834.14 ; 2476.5,1847.04 cw(c2500.64,1847.04) 2483.57,1864.11 ccw(c2500.64,1847.04) 2476.5,1847.04 ; 2476.5,1847.04 ccw(c2452.36,1847.04) 2469.43,1864.11 cw(c2452.36,1847.04) 2476.5,1847.04 ; 2750.5,2282.14 cw(c2726.36,2282.14) 2743.43,2265.07 ccw(c2726.36,2282.14) 2750.5,2282.14 ; 2750.5,2282.14 ccw(c2774.64,2282.14) 2757.57,2265.07 cw(c2774.64,2282.14) 2750.5,2282.14 ; 2750.5,2293.86 cw(c2774.64,2293.86) 2757.57,2310.93 ccw(c2774.64,2293.86) 2750.5,2293.86 ; 2750.5,2293.86 ccw(c2726.36,2293.86) 2743.43,2310.93 cw(c2726.36,2293.86) 2750.5,2293.86 ; 2823.5,2113.86 cw(c2847.64,2113.86) 2830.57,2130.93 ccw(c2847.64,2113.86) 2823.5,2113.86 ; 2823.5,2113.86 ccw(c2799.36,2113.86) 2816.43,2130.93 cw(c2799.36,2113.86) 2823.5,2113.86 ; 3336.5,1844.14 cw(c3312.36,1844.14) 3329.43,1827.07 ccw(c3312.36,1844.14) 3336.5,1844.14 ; 3336.5,1844.14 ccw(c3360.64,1844.14) 3343.57,1827.07 cw(c3360.64,1844.14) 3336.5,1844.14 ; 3336.5,1855.86 cw(c3360.64,1855.86) 3343.57,1872.93 ccw(c3360.64,1855.86) 3336.5,1855.86 ; 3336.5,1855.86 ccw(c3312.36,1855.86) 3329.43,1872.93 cw(c3312.36,1855.86) 3336.5,1855.86 ; 3426.68,1264.14 cw(c3414.99,1264.14) 3423.26,1255.88 ccw(c3414.99,1264.14) 3426.68,1264.14 ; 3426.68,1264.14 ccw(c3438.38,1264.14) 3430.11,1255.88 cw(c3438.38,1264.14) 3426.68,1264.14 ; 4060.15,1420 cw(c4060.15,1405.93) 4070.09,1415.88 ccw(c4060.15,1405.93) 4060.15,1420 ; 4060.15,1420 ccw(c4060.15,1434.07) 4070.09,1424.12 cw(c4060.15,1434.07) 4060.15,1420 ; 4183.5,2167 cw(c4183.5,2177.95) 4175.2,2170.8 ccw(c4183.5,2177.95) 4183.5,2167 ; 4183.5,2167 ccw(c4183.5,2156.05) 4175.2,2163.2 cw(c4183.5,2156.05) 4183.5,2167 ; C8.1@2568.5,1590 ccw(c2568.5,1602.07) 2577.04,1593.54 cw(c2568.5,1602.07) C8.1@2568.5,1590 ; C8.1@2578.5,1580 cw(c2614.71,1580) 2589.11,1605.61 ccw(c2614.71,1580) C8.1@2578.5,1580 ; C9.1@2755.5,2248 cw(c2755.5,2235.93) 2764.04,2244.46 ccw(c2755.5,2235.93) C9.1@2755.5,2248 ; C9.1@2765.5,2258 ccw(c2801.71,2258) 2776.11,2232.39 cw(c2801.71,2258) C9.1@2765.5,2258 ; 2797.89,2163.61 cw(c2772.29,2138) 2808.5,2138 ccw(c2772.29,2138) 2797.89,2163.61 ; C12.1@2809.96,2151.54 ccw(c2818.5,2160.07) 2818.5,2148 cw(c2818.5,2160.07) C12.1@2809.96,2151.54 ; 3014.39,1349.11 ccw(c3040,1374.71) 3040,1338.5 cw(c3040,1374.71) 3014.39,1349.11 ; C7.1@3026.46,1337.04 cw(c3017.93,1328.5) 3030,1328.5 ccw(c3017.93,1328.5) C7.1@3026.46,1337.04 ; 3310.89,1794.39 ccw(c3285.29,1820) 3321.5,1820 cw(c3285.29,1820) 3310.89,1794.39 ; C6.1@3322.96,1806.46 cw(c3331.5,1797.93) 3331.5,1810 ccw(c3331.5,1797.93) C6.1@3322.96,1806.46 ; 3416.33,1381.33 ccw(c3357.65,1440) 3440.63,1440 cw(c3357.65,1440) 3416.33,1381.33 ; 3433.4,1398.4 ccw(c3391.8,1440) 3450.63,1440 cw(c3391.8,1440) 3433.4,1398.4 ; 3440.09,1405.09 cw(c3465.16,1380.02) 3465.16,1415.47 ccw(c3465.16,1380.02) 3440.09,1405.09 ; R67.2@4020,1441.5 cw(c4020,1405.29) 4045.61,1430.89 ccw(c4020,1405.29) R67.2@4020,1441.5 ; R67.2@4030.75,1452.25 ccw(c4046.43,1452.25) 4035.34,1441.16 cw(c4046.43,1452.25) R67.2@4030.75,1452.25 ; U2.2@4170.79,2161.17 cw(c4170.79,2116.42) 4202.44,2148.06 ccw(c4170.79,2116.42) U2.2@4170.79,2161.17 ; U2.2@4170.79,2171.17 cw(c4170.79,2150.56) 4185.36,2165.14 ccw(c4170.79,2150.56) U2.2@4170.79,2171.17 ; U2.2@4174.04,2162.17 cw(c4181.03,2151.81) 4189.86,2160.64 ccw(c4181.03,2151.81) U2.2@4174.04,2162.17 ; 4194.39,2156.11 ccw(c4220,2181.71) 4220,2145.5 cw(c4220,2181.71) 4194.39,2156.11 ; C13.2@4206.46,2144.04 cw(c4197.93,2135.5) 4210,2135.5 ccw(c4197.93,2135.5) C13.2@4206.46,2144.04
  other v1: 4565,1042 1243,1047 1425,1047 1607,1047 2960,1108 3802.5,1135 3887,1135 3971.5,1135 3330,1137 3408.5,1137 3487,1137 2960,1159 1538,1179 3047,1188 1046,1243 3857,1317 2221,1329 4334,1355 1826.2,1359 1894.8,1359 1963.4,1359 2032,1359 2100.6,1359 2169.2,1359 2430,1362 3690,1379 4624,1382 3977,1393 2430,1429 3593,1462 3759,1479 3896,1488 3478,1499 4588,1502 2457,1596 4330,1603 2529,1626 3514,1649 1826.2,1693 2006,1693 2169.2,1693 2450,1712 1826.2,1790 2007,1790 2169.2,1790 4255,1808 3767,1813 3703,1892 4527,1895 4019,1900 3349,1916 3110,1920 4153,1920 3258,1934 1422,1943 3093,1964 4493,1968 3567,1976 3353,1986 2078,1995 1970,1998 2467,2005 3197,2049 4156,2049 3645,2050 2429,2054 4494,2063 1169,2094 3862,2128 3473,2130 3120,2140 1266,2155 2696,2180 2473,2181 1539,2188 2942,2220 2942,2260 1888,2273 1794,2275 4226,2278 3917,2279 4762,2280 3546,2295 2942,2297 2464,2344 2903,2347 1748,2389 1837,2389 2403,2400 3191,2466 2408,2506 3523,2544 3463,2607 2620,2610 1764,2628 1835,2631 2615,2994 2592,3077 1872,3109 1783,3110 2458,3291 2616,3309 4771,3311
  other v3: 3340,2272.5
INA1: U1.16 U3.2 | length 1011.7
  Top Layer w8: U1.16@2739.63,1746.11 v1(2920,1746.11) ; v1(3490,1824) U3.2@3568.81,1824 ; 2912.76,1746.11 cw(c2912.76,1738.87) 2917.88,1743.99 ccw(c2912.76,1738.87) 2912.76,1746.11 ; 2912.76,1746.11 ccw(c2912.76,1753.35) 2917.88,1748.23 cw(c2912.76,1753.35) 2912.76,1746.11 ; 3497.24,1824 cw(c3497.24,1831.24) 3492.12,1826.12 ccw(c3497.24,1831.24) 3497.24,1824 ; 3497.24,1824 ccw(c3497.24,1816.76) 3492.12,1821.88 cw(c3497.24,1816.76) 3497.24,1824 ; 3520.43,1824 cw(c3520.43,1805.14) 3533.76,1818.48 ccw(c3520.43,1805.14) 3520.43,1824 ; 3520.43,1824 ccw(c3520.43,1842.86) 3533.76,1829.52 cw(c3520.43,1842.86) 3520.43,1824
  Bottom Layer w8: v1(2920,1746.11) 3412.11,1746.11 v1(3490,1824) ; 2927.24,1746.11 cw(c2927.24,1753.35) 2922.12,1748.23 ccw(c2927.24,1753.35) 2927.24,1746.11 ; 2927.24,1746.11 ccw(c2927.24,1738.87) 2922.12,1743.99 cw(c2927.24,1738.87) 2927.24,1746.11 ; 3484.88,1818.88 cw(c3490,1813.76) 3490,1821 ccw(c3490,1813.76) 3484.88,1818.88 ; 3484.88,1818.88 ccw(c3479.76,1824) 3487,1824 cw(c3479.76,1824) 3484.88,1818.88
INA2: U1.18 U3.6 | length 1013.7
  Top Layer w8: U1.18@2739.63,1706.74 v1(2920,1706.74) ; v1(3490,1624) U3.6@3568.81,1624 ; 2912.76,1706.74 cw(c2912.76,1699.5) 2917.88,1704.62 ccw(c2912.76,1699.5) 2912.76,1706.74 ; 2912.76,1706.74 ccw(c2912.76,1713.98) 2917.88,1708.86 cw(c2912.76,1713.98) 2912.76,1706.74 ; 3497.24,1624 cw(c3497.24,1631.24) 3492.12,1626.12 ccw(c3497.24,1631.24) 3497.24,1624 ; 3497.24,1624 ccw(c3497.24,1616.76) 3492.12,1621.88 cw(c3497.24,1616.76) 3497.24,1624 ; 3520.43,1624 cw(c3520.43,1605.14) 3533.76,1618.48 ccw(c3520.43,1605.14) 3520.43,1624 ; 3520.43,1624 ccw(c3520.43,1642.86) 3533.76,1629.52 cw(c3520.43,1642.86) 3520.43,1624
  Bottom Layer w8: v1(2920,1706.74) 3407.26,1706.74 v1(3490,1624) ; 2927.24,1706.74 cw(c2927.24,1713.98) 2922.12,1708.86 ccw(c2927.24,1713.98) 2927.24,1706.74 ; 2927.24,1706.74 ccw(c2927.24,1699.5) 2922.12,1704.62 cw(c2927.24,1699.5) 2927.24,1706.74 ; 3484.88,1629.12 cw(c3479.76,1624) 3487,1624 ccw(c3479.76,1624) 3484.88,1629.12 ; 3484.88,1629.12 ccw(c3490,1634.24) 3490,1627 cw(c3490,1634.24) 3484.88,1629.12
INB1: U1.17 U3.3 | length 999.1
  Top Layer w8: U1.17@2739.63,1726.43 v1(2940,1726.43) ; v1(3490,1774) U3.3@3568.81,1774 ; 2932.76,1726.43 cw(c2932.76,1719.18) 2937.88,1724.3 ccw(c2932.76,1719.18) 2932.76,1726.43 ; 2932.76,1726.43 ccw(c2932.76,1733.67) 2937.88,1728.55 cw(c2932.76,1733.67) 2932.76,1726.43 ; 3497.24,1774 cw(c3497.24,1781.24) 3492.12,1776.12 ccw(c3497.24,1781.24) 3497.24,1774 ; 3497.24,1774 ccw(c3497.24,1766.76) 3492.12,1771.88 cw(c3497.24,1766.76) 3497.24,1774 ; 3520.43,1774 cw(c3520.43,1755.14) 3533.76,1768.48 ccw(c3520.43,1755.14) 3520.43,1774 ; 3520.43,1774 ccw(c3520.43,1792.86) 3533.76,1779.52 cw(c3520.43,1792.86) 3520.43,1774
  Bottom Layer w8: v1(2940,1726.43) 3442.43,1726.43 v1(3490,1774) ; 2947.24,1726.43 cw(c2947.24,1733.67) 2942.12,1728.55 ccw(c2947.24,1733.67) 2947.24,1726.43 ; 2947.24,1726.43 ccw(c2947.24,1719.18) 2942.12,1724.3 cw(c2947.24,1719.18) 2947.24,1726.43 ; 3484.88,1768.88 cw(c3490,1763.76) 3490,1771 ccw(c3490,1763.76) 3484.88,1768.88 ; 3484.88,1768.88 ccw(c3479.76,1774) 3487,1774 cw(c3479.76,1774) 3484.88,1768.88
INB2: U1.19 U3.7 | length 1026.3
  Top Layer w8: U1.19@2739.63,1687.06 v1(2940,1687.06) ; v1(3490,1574) U3.7@3568.81,1574 ; 2932.76,1687.06 cw(c2932.76,1679.81) 2937.88,1684.93 ccw(c2932.76,1679.81) 2932.76,1687.06 ; 2932.76,1687.06 ccw(c2932.76,1694.3) 2937.88,1689.18 cw(c2932.76,1694.3) 2932.76,1687.06 ; 3497.24,1574 cw(c3497.24,1581.24) 3492.12,1576.12 ccw(c3497.24,1581.24) 3497.24,1574 ; 3497.24,1574 ccw(c3497.24,1566.76) 3492.12,1571.88 cw(c3497.24,1566.76) 3497.24,1574 ; 3520.43,1574 cw(c3520.43,1555.14) 3533.76,1568.48 ccw(c3520.43,1555.14) 3520.43,1574 ; 3520.43,1574 ccw(c3520.43,1592.86) 3533.76,1579.52 cw(c3520.43,1592.86) 3520.43,1574
  Bottom Layer w8: v1(2940,1687.06) 3376.95,1687.06 v1(3490,1574) ; 2947.24,1687.06 cw(c2947.24,1694.3) 2942.12,1689.18 ccw(c2947.24,1694.3) 2947.24,1687.06 ; 2947.24,1687.06 ccw(c2947.24,1679.81) 2942.12,1684.93 cw(c2947.24,1679.81) 2947.24,1687.06 ; 3484.88,1579.12 cw(c3479.76,1574) 3487,1574 ccw(c3479.76,1574) 3484.88,1579.12 ; 3484.88,1579.12 ccw(c3490,1584.24) 3490,1577 cw(c3490,1584.24) 3484.88,1579.12
JTCK: H1.2 R5.1 U1.37 | length 1268.9
  Top Layer w8: H1.2@3010,1060 3010,1199 3101.83,1290.83 U1.37@3101.83,1588.63 ; 3010,1111.82 cw(c2958.18,1111.82) 2994.82,1075.18 ccw(c2958.18,1111.82) 3010,1111.82 ; 3010,1111.82 ccw(c3061.82,1111.82) 3025.18,1075.18 cw(c3061.82,1111.82) 3010,1111.82 ; R5.1@3010,1131.13 cw(c2938.87,1131.13) 2989.17,1080.83 ccw(c2938.87,1131.13) R5.1@3010,1131.13 ; R5.1@3010,1131.13 ccw(c3081.13,1131.13) 3030.83,1080.83 cw(c3081.13,1131.13) R5.1@3010,1131.13 ; 3010,1094.31 cw(c3069.94,1094.31) 3027.56,1136.69 ccw(c3069.94,1094.31) 3010,1094.31 ; 3010,1113.62 cw(c3050.62,1113.62) 3021.9,1142.35 ccw(c3050.62,1113.62) 3010,1113.62 ; 3010,1176.38 ccw(c3050.62,1176.38) 3021.9,1147.65 cw(c3050.62,1176.38) 3010,1176.38 ; 3010,1195.69 ccw(c3069.94,1195.69) 3027.56,1153.31 cw(c3069.94,1195.69) 3010,1195.69
JTMS: H1.3 R4.1 U1.34 | length 1168.6
  Top Layer w8: H1.3@2910,1060 2910,1189 ; U1.34@2989.63,1515.8 2989.63,1268.63 2910,1189 ; 2910,1111.82 cw(c2858.18,1111.82) 2894.82,1075.18 ccw(c2858.18,1111.82) 2910,1111.82 ; 2910,1111.82 ccw(c2961.82,1111.82) 2925.18,1075.18 cw(c2961.82,1111.82) 2910,1111.82 ; R4.1@2910,1131.13 cw(c2838.87,1131.13) 2889.17,1080.83 ccw(c2838.87,1131.13) R4.1@2910,1131.13 ; R4.1@2910,1131.13 ccw(c2981.13,1131.13) 2930.83,1080.83 cw(c2981.13,1131.13) R4.1@2910,1131.13 ; 2910,1189 cw(c2865.15,1189) 2893.36,1154.13 ccw(c2865.15,1189) 2910,1189 ; R4.1@2892.44,1136.69 cw(c2850.06,1094.31) 2910,1094.31 ccw(c2850.06,1094.31) R4.1@2892.44,1136.69 ; R4.1@2898.1,1142.35 cw(c2869.38,1113.62) 2910,1113.62 ccw(c2869.38,1113.62) R4.1@2898.1,1142.35 ; R4.1@2898.39,1147.91 ccw(c2878.72,1172.23) 2910,1172.23 cw(c2878.72,1172.23) R4.1@2898.39,1147.91
MPU_INT: U1.2 U5.12 | length 621.3
  Top Layer w8: U1.2@3009.32,1878 3009.32,1935.36 3163.96,2090 v1(3165,2090) ; v1(3380,2157) 3389.21,2166.21 U5.12@3389.21,2193.76 ; 3158.1,2084.14 cw(c3165,2077.24) 3165,2087 ccw(c3165,2077.24) 3158.1,2084.14
  Bottom Layer w8: v1(3165,2090) 3313,2090 v1(3380,2157) ; 3172.24,2090 cw(c3172.24,2097.24) 3167.12,2092.12 ccw(c3172.24,2097.24) 3172.24,2090 ; 3172.24,2090 ccw(c3172.24,2082.76) 3167.12,2087.88 cw(c3172.24,2082.76) 3172.24,2090 ; 3374.88,2151.88 cw(c3380,2146.76) 3380,2154 ccw(c3380,2146.76) 3374.88,2151.88 ; 3374.88,2151.88 ccw(c3369.76,2157) 3377,2157 cw(c3369.76,2157) 3374.88,2151.88
MPU_SCL: R14.1 U1.45 U5.23 | length 1347.1
  Top Layer w10: U1.45@3101.83,1746.11 3376.11,1746.11 3434,1804 v1(3434,1855) ; U5.23@3310.47,2351.24 3310.47,2399.97 R14.1@3340,2429.5 v1(3340,2466) ; v1@3340,2459.7 cw(c3314.05,2459.7) 3332.4,2441.35 ccw(c3314.05,2459.7) v1@3340,2459.7 ; v1@3340,2459.7 ccw(c3365.95,2459.7) 3347.6,2441.35 cw(c3365.95,2459.7) v1@3340,2459.7 ; 3314.39,2403.89 cw(c3340,2378.29) 3340,2414.5 ccw(c3340,2378.29) 3314.39,2403.89 ; R14.1@3324.66,2414.16 ccw(c3313.57,2425.25) 3329.25,2425.25 cw(c3313.57,2425.25) R14.1@3324.66,2414.16
  Bottom Layer w10: v1(3340,2466) 3434,2372 v1(3434,1855)
MPU_SDA: R13.1 U1.46 U5.24 | length 1371.6
  Top Layer w10: U1.46@3101.83,1765.8 3353.8,1765.8 v1(3407,1819) ; R13.1@3280,2429.5 v1(3280,2466) ; U5.24@3290.79,2351.24 R13.1@3290.79,2418.71 ; v1@3280,2459.7 cw(c3254.05,2459.7) 3272.4,2441.35 ccw(c3254.05,2459.7) v1@3280,2459.7 ; v1@3280,2459.7 ccw(c3305.95,2459.7) 3287.6,2441.35 cw(c3305.95,2459.7) v1@3280,2459.7 ; R13.1@3272.4,2417.65 cw(c3228.01,2373.26) 3290.79,2373.26 ccw(c3228.01,2373.26) R13.1@3272.4,2417.65 ; R13.1@3279.47,2424.72 cw(c3252.15,2397.4) 3290.79,2397.4 ccw(c3252.15,2397.4) R13.1@3279.47,2424.72
  Bottom Layer w10: v1(3280,2466) 3407,2339 v1(3407,1819)